# Allegro board LAY-27392_C.brd
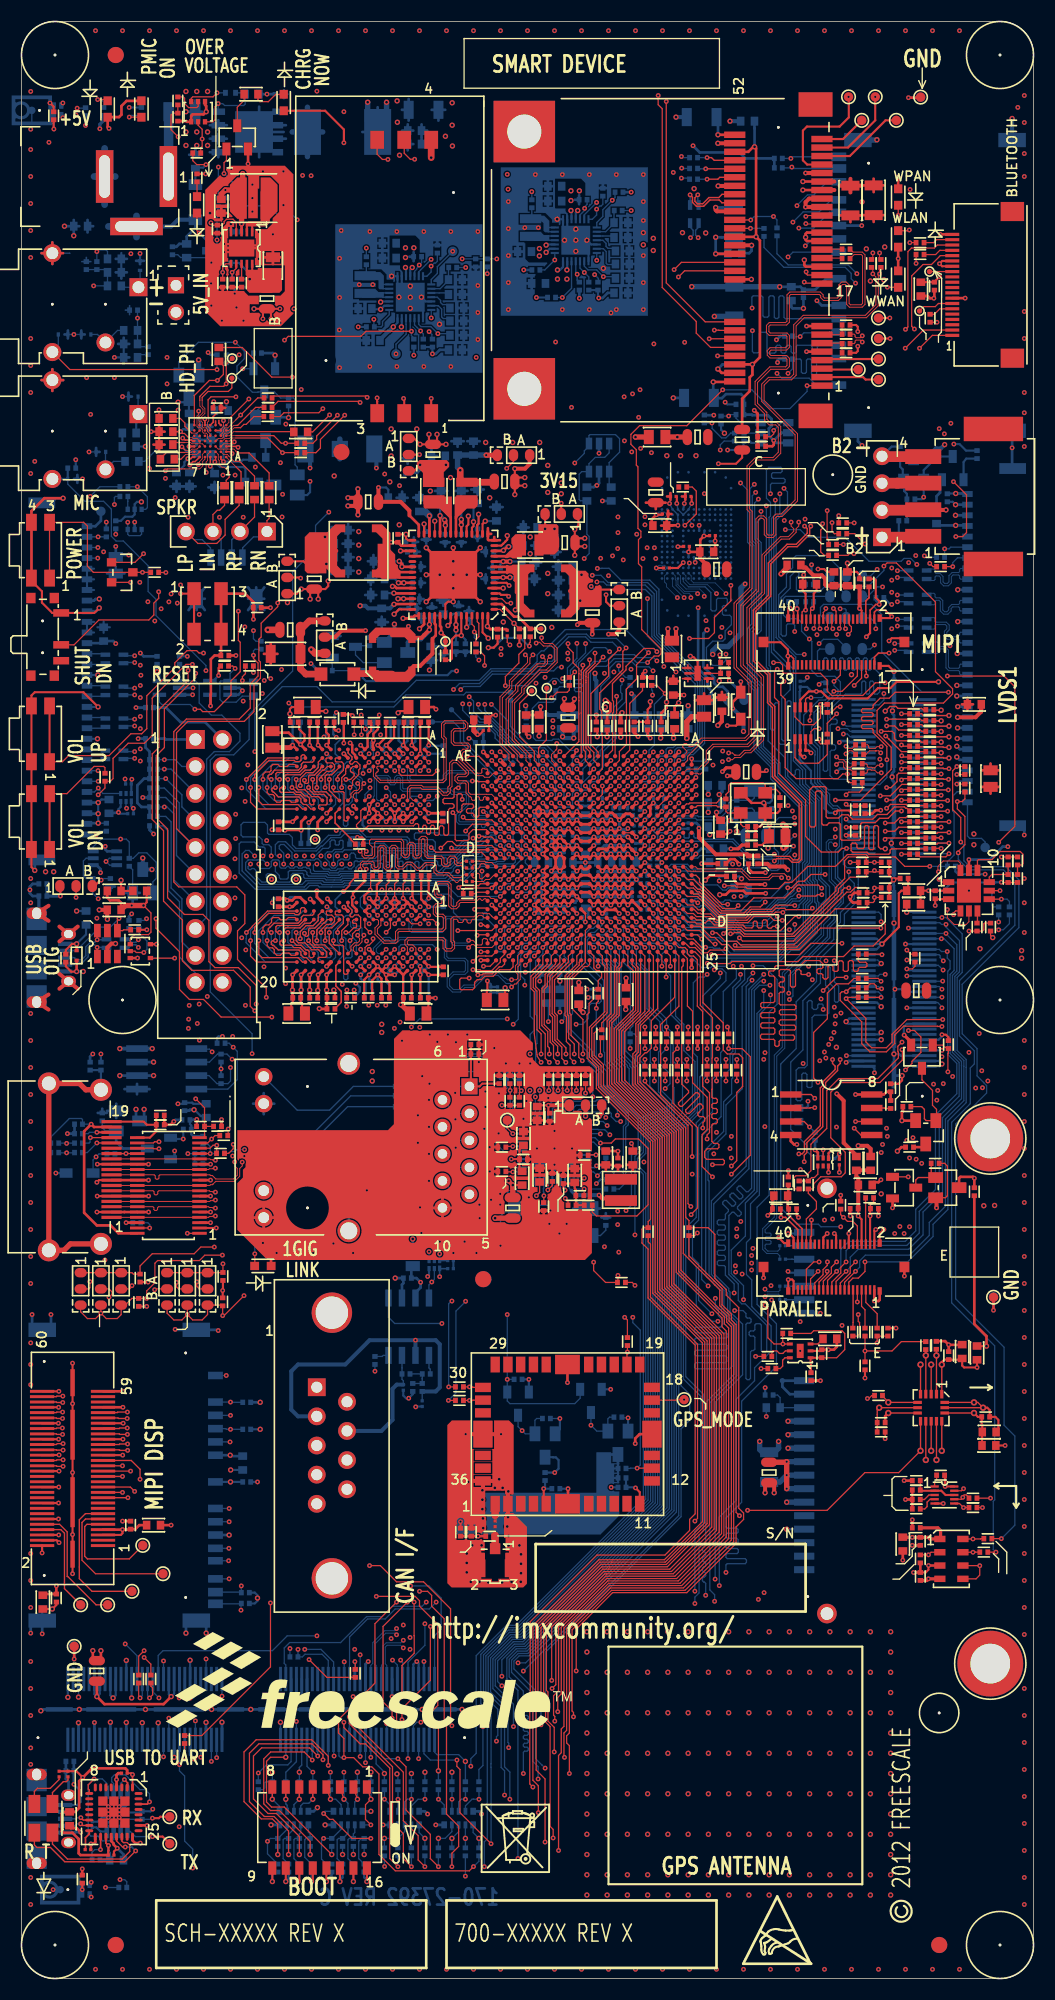
[diagram p0: board, top side]
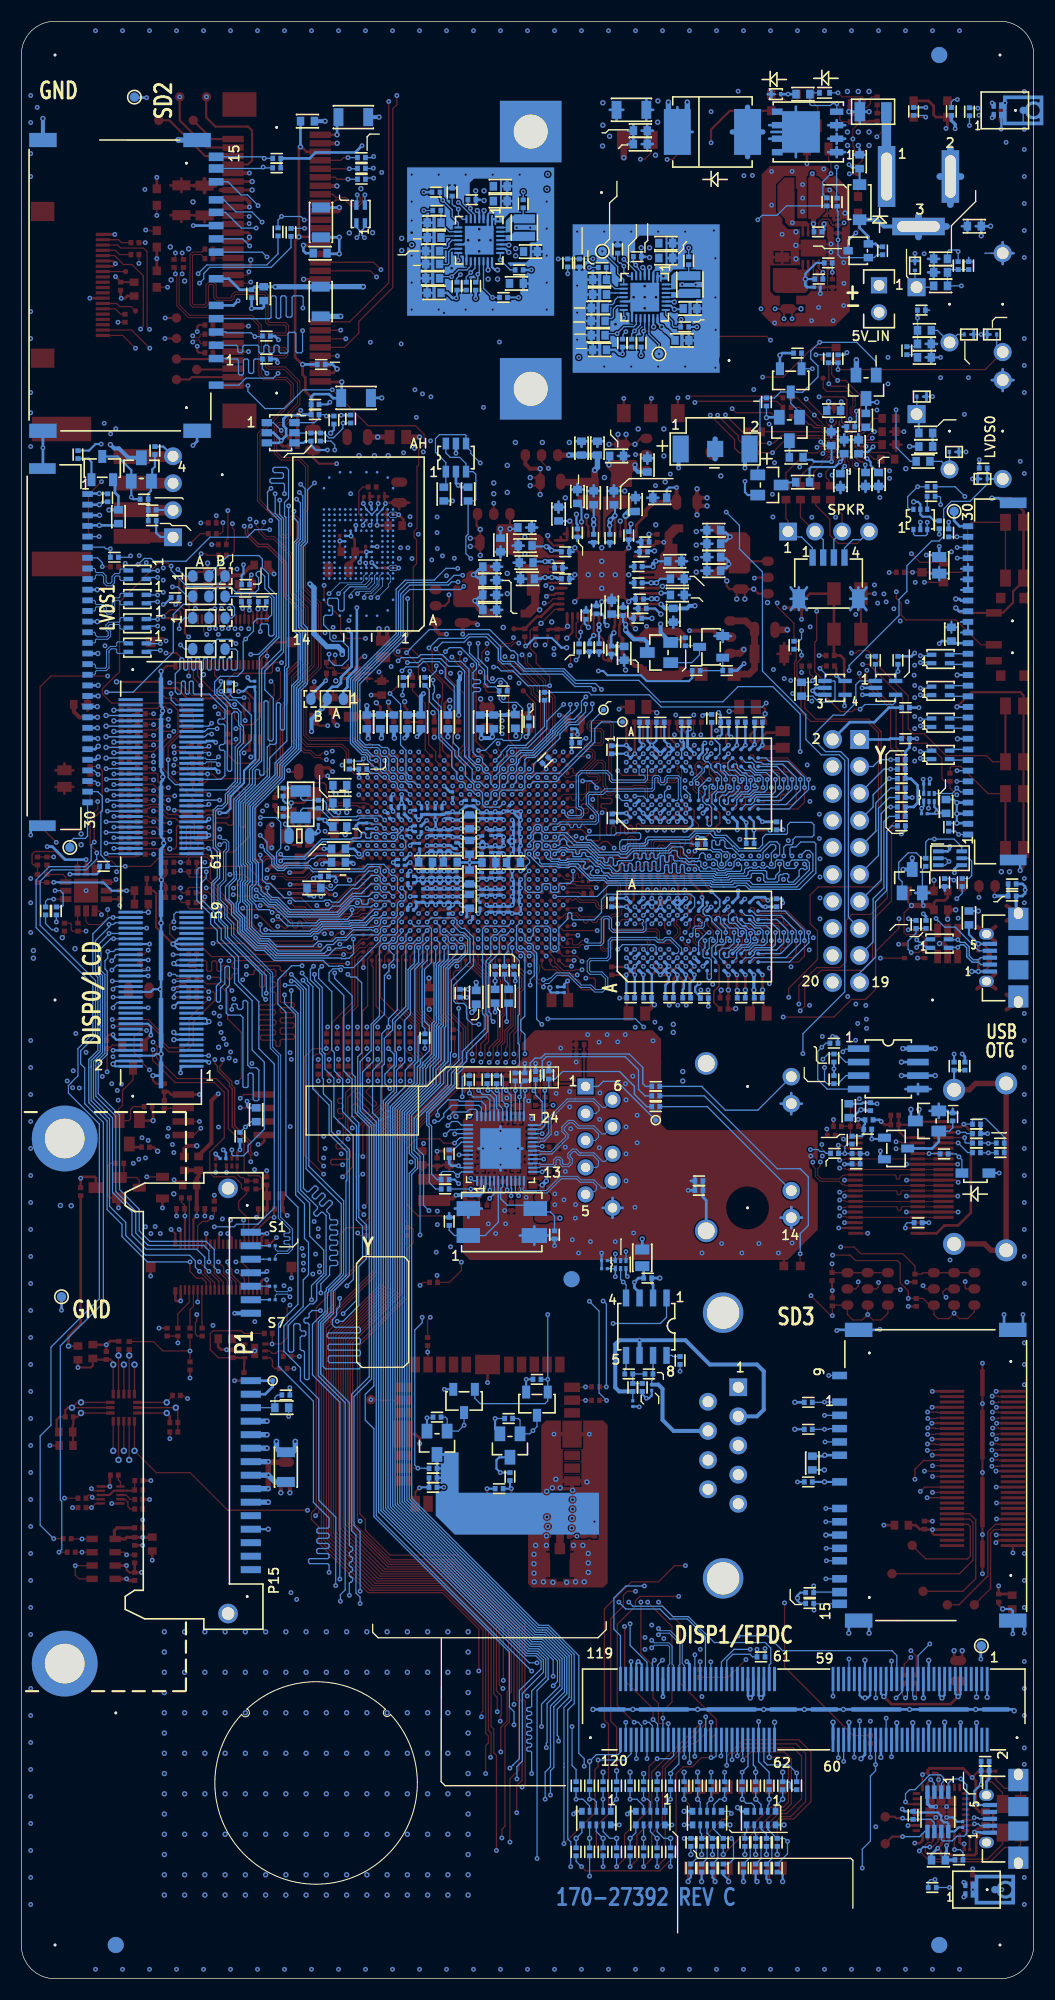
[diagram p1: board, bottom side, seen from below]

Outline 95.25 x 184.15 mm; copper layers: TOP, L2_GND_1, L3_INT_1, L4_PWR_1, L5_PWR_2, L6_INT_2, L7_GND_2, BOTTOM. Coordinates in mm from the lower left corner of the outline.
Outline path: 0,180.98 0,3.17 ; 0,180.98 arc(0.93,183.22) 3.17,184.15 ; 0,180.98 arc(0.93,183.22) 3.17,184.15 ; 0,180.98 0,3.17 ; 0,3.17 arc(0.93,0.93) 3.17,0 ; 0,3.17 arc(0.93,0.93) 3.17,0 ; 3.17,184.15 92.08,184.15 ; 3.17,184.15 92.08,184.15 ; 92.08,184.15 arc(94.32,183.22) 95.25,180.98 ; 92.08,184.15 arc(94.32,183.22) 95.25,180.98 ; 3.17,0 92.08,0 ; 3.17,0 92.08,0 ; 92.08,0 arc(94.32,0.93) 95.25,3.17 ; 92.08,0 arc(94.32,0.93) 95.25,3.17 ; 95.25,180.98 95.25,3.17 ; 95.25,180.98 95.25,3.17

## Design rules (mm)
net group AUD3_RXD: nets ADCDAT1 AUD3_RXD
net group AUD3_TXC: nets AUD3_TXC BCLK1
net group AUD3_TXD: nets AUD3_TXD DACDAT1
net group AUD3_TXFS: nets AUD3_TXFS LRCLK1
net group BATT_TEMP1: nets BATT_TEMP1 BCH1_VL
net group BATT_TEMP2: nets BATT_TEMP2 BCH2_VL
net group CAN1_RX: nets CAN1_RX DISP0_SER_RS
net group CAN1_STBY: nets CAN1_STBY KEY_COL5
net group CAN1_TX: nets CAN1_TX SPDIF_CLK
net group CEC_BCK_PRO: nets CEC_BCK_PRO HDMI_CEC_OUT
net group CHG_NW_LED_A: nets CHG_NW_LED_A CHG_NW_LED_B
net group CLK1_N: nets CLK1_N PCIE_CREFCLKM
net group CLK1_P: nets CLK1_P PCIE_CREFCLKP
net group CPCA: nets CPCA CPCB
net group CPU_XTALI: nets CPU_XTALI CPU_XTALO
net group CPUPWRON: nets CPUPWRON MX6_ONOFF
net group DBUG_USB_D: nets DBUG_USB_DM DBUG_USB_DP
net group DDR3_DAT4: nets DRAM_SDQS4 DRAM_SDQS4_B
net group DDR_SDCLK0: nets DDR_SDCLK0 DRAM_SDCLK0
net group DDR_SDCLK0_B: nets DDR_SDCLK0_B DRAM_SDCLK0_B
net group DISP0_CLK: nets DISP0_CLK DSP0_CLK
net group DISP0_CNTRST: nets DI0_PIN4 DISP0_CNTRST
net group DISP0_DAT0: nets DISP0_DAT0 DSP0_DAT0
net group DISP0_DAT1: nets DISP0_DAT1 DSP0_DAT1
net group DISP0_DAT2: nets DISP0_DAT2 DSP0_DAT2
net group DISP0_DAT3: nets DISP0_DAT3 DSP0_DAT3
net group DISP0_DAT4: nets DISP0_DAT4 DSP0_DAT4
net group DISP0_DAT5: nets DISP0_DAT5 DSP0_DAT5
net group DISP0_DAT6: nets DISP0_DAT6 DSP0_DAT6
net group DISP0_DAT7: nets DISP0_DAT7 DSP0_DAT7
net group DISP0_DAT8: nets DISP0_DAT8 DSP0_DAT8
net group DISP0_DAT9: nets DISP0_DAT9 DSP0_DAT9
net group DISP0_DAT10: nets DISP0_DAT10 DSP0_DAT10
net group DISP0_DAT11: nets DISP0_DAT11 DSP0_DAT11
net group DISP0_DAT12: nets DISP0_DAT12 DSP0_DAT12
net group DISP0_DAT13: nets DISP0_DAT13 DSP0_DAT13
net group DISP0_DAT14: nets DISP0_DAT14 DSP0_DAT14
net group DISP0_DAT15: nets DISP0_DAT15 DSP0_DAT15
net group DISP0_DAT16: nets DISP0_DAT16 DSP0_DAT16
net group DISP0_DAT17: nets DISP0_DAT17 DSP0_DAT17
net group DISP0_DAT18: nets DISP0_DAT18 DSP0_DAT18
net group DISP0_DAT19: nets DISP0_DAT19 DSP0_DAT19
net group DISP0_DAT20: nets DISP0_DAT20 DSP0_DAT20
net group DISP0_DAT21: nets DISP0_DAT21 DSP0_DAT21
net group DISP0_DAT22: nets DISP0_DAT22 DSP0_DAT22
net group DISP0_DAT23: nets DISP0_DAT23 DSP0_DAT23
net group DISP0_DRDY: nets DI0_PIN15 DISP0_DRDY
net group DISP0_HSYNCH: nets DI0_PIN2 DISP0_HSYNCH
net group DISP0_RD: nets DISP0_RD EIM_D28
net group DISP0_VSYNCH: nets DI0_PIN3 DISP0_VSYNCH
net group DMICCLK1: nets DMICCLK1 DMICCLK1R
net group DMICCLK2: nets DMICCLK2 DMICCLK2R
net group EIM_BCLK: nets DI0_D1_CS EIM_BCLK
net group EIM_D19: nets PCIE_PWR_EN PCIE_PWR_ON
net group EIM_D21: nets EIM_D21 USB_OTG_OC
net group GPS_SIGNALS: nets GPS_RFIN GPS_RFIN_CON
net group HDMI_DDC_CLK_OUT: nets H_CLK_OUT HDMI_DDC_CLK_OUT
net group HDMI_DDC_DAT_OUT: nets H_DAT_OUT HDMI_DDC_DAT_OUT
net group HEADPHONE_DET: nets HEADPHONE_DET SD3_RST
net group I2C_LVDS0_EDID: nets LVDS0_EDID_SCL LVDS0_EDID_SDA
net group I2C_LVDS0_TOUCH: nets LVDS0_TOUCH_SCL LVDS0_TOUCH_SDA
net group KEY_COL6: nets KEY_COL6 MICROPHONE_DET
net group KEY_COL7: nets KEY_COL7 KEY_VOL_UP
net group KEY_ROW7: nets KEY_ROW7 KEY_VOL_DN
net group LD_WLAN_B: nets LD_WLAN_B LED_WLAN_B
net group LD_WPAN_B: nets LD_WPAN_B LED_WPAN_B
net group LD_WWAN_B: nets LD_WWAN_B LED_WWAN_B
net group LDO_REG_FB: nets LDO_REG_FB LDO_REG_OUT
net group LDO_USB_IN: nets LDO_USB_IN USB_H1_VBUS
net group LED_1000_O: nets LED_1000_O RGMII_LED_1000
net group LVDS0_CLK_N: nets LVDS0_CLK_N LVDS0_CLK_NEG
net group LVDS0_TX0_N: nets LVDS0_TX0_N LVDS0_TX0_NEG
net group LVDS0_TX0_P: nets LVDS0_TX0_P LVDS0_TX0_POS
net group LVDS0_TX1_N: nets LVDS0_TX1_N LVDS0_TX1_NEG
net group LVDS0_TX1_P: nets LVDS0_TX1_P LVDS0_TX1_POS
net group LVDS0_TX2_N: nets LVDS0_TX2_N LVDS0_TX2_NEG
net group LVDS0_TX2_P: nets LVDS0_TX2_P LVDS0_TX2_POS
net group LVDS1_CLK_N: nets LVDS1_CLK_N LVDS1_CLK_POS
net group LVDS1_TX0_N: nets LVDS1_TX0_N LVDS1_TX0_NEG
net group LVDS1_TX0_P: nets LVDS1_TX0_P LVDS1_TX0_POS
net group LVDS1_TX1_N: nets LVDS1_TX1_N LVDS1_TX1_NEG
net group LVDS1_TX1_P: nets LVDS1_TX1_P LVDS1_TX1_POS
net group LVDS1_TX2_N: nets LVDS1_TX2_N LVDS1_TX2_NEG
net group LVDS1_TX2_P: nets LVDS1_TX2_P LVDS1_TX2_POS
net group MPCIE_3V3: nets MPCIE_3V3 PCIE_PWR_R1
net group OVPROT_5VA: nets OVPROT_5VA OVPROT_5VB
net group OVPROT_5VC: nets OVPROT_5VC OVRPRTC
net group OVPROT_5VD: nets OVPROT_5VD SHUTDOWN
net group PCIE_CRXM: nets PCIE_CRXM PCIE_RXM
net group PCIE_CRXP: nets PCIE_CRXP PCIE_RXP
net group PCIE_CTXM: nets PCIE_CTXM PCIE_TXM
net group PCIE_CTXP: nets PCIE_CTXP PCIE_TXP
net group PCIE_RST_B: nets PCIE_RST_B SPDIF_OUT
net group PCIE_USB_DM: nets PCIE_USB_DM USB_HOST_DN
net group PCIE_USB_DP: nets PCIE_USB_DP USB_HOST_DP
net group PCIE_VPTX: nets PCIE_VPTX VDDSOC_VP
net group PHY_RST: nets PHY_RST RGMII_NRST
net group RGMII_LED_10_100: nets RGMII_LED_10_100 RJ45_LED_10_100
net group RGMII_LED_ACT: nets RGMII_LED_ACT RJ45_LED_ACT
net group RGMII_RXCLK: nets PHY_RX_CLK RGMII_RXCLK
net group RTC_XTALI: nets RTC_XTALI RTC_XTALO
net group SATA_COMPONENTS: nets RSVD
net group SATA_RXN: nets SATA_RXN SATA_RXN_CON
net group SATA_RXP: nets SATA_RXP SATA_RXP_CON
net group SATA_TXN: nets SATA_TXN SATA_TXN_CON
net group SATA_TXP: nets SATA_TXP SATA_TXP_CON
net group SENSOR1V8: nets SEN_1V8 SENSOR1V8
net group SENSOR3V3: nets SEN_3V3 SENSOR3V3
net group SPKLN: nets SPKLN SPKOUTLN
net group SPKLP: nets SPKLP SPKOUTLP
net group SPKOUTRN: nets SPKOUTRN SPKRN
net group SPKOUTRP: nets SPKOUTRP SPKRP
net group SWBST_5V: nets SWBST_5V SWBST_FB
net group SWBSTLX: nets SWBST_SUP SWBSTLX
net group TS_XN: nets TS_XN XN
net group TS_XP: nets TS_XP XP
net group TS_YN: nets TS_YN YN
net group TS_YP: nets TS_YP YP
net group USB_OTG_CON_DN: nets USB_OTG_CON_DN USB_OTG_DN
net group USB_OTG_CON_DP: nets USB_OTG_CON_DP USB_OTG_DP
net group A2D_TP_VDD: nets A2D_TP_VDD AUD_FB AUX_3V15 EIM_D26 GPS_3V15_ON P1V8_SW4 PENIRQ_B SD2_3V3 SD2_CD_B SD2_CMD SD2_WP SW4LX SWBST_PWR_EN TS_A0 TS_A1 TS_INT TS_PWR_ON
net group ACC_SCK: nets ACC_SCK CODEC_I2C_CLK CSI0_SCL I2C1_SCL
net group ACC_SDA: nets ACC_SDA CODEC_I2C_DAT CSI0_SDA I2C1_SDA
net group ALS_SCK: nets ALS_SCK BAR_SCK DEC_SCK EPDC_I2C3_SCL I2C3_SCL LVDS1_EDID_SCL LVDS1_TOUCH_SCL PCIE_SMB_CLK
net group ALS_SDA: nets ALS_SDA BAR_SDA DEC_SDA EPDC_I2C3_SDA I2C3_SDA LVDS1_EDID_SDA LVDS1_TOUCH_SDA PCIE_SMB_DATA
net group AUDIO_CLK: nets AUD_MCLK AUDIO_CLK CSI_MCLK MCLK_1V8
net group AUX_5V: nets AUX_5V AUX_5V_FB AUX_5V_OUTS AUX_5V_POUT LVDS0_5V
net group BAT_CEN_B: nets BAT_CEN_B EIM_D30 USB_H1_OC
net group BATTERY_1: nets BATT_VSENSE BATT_VSENSE_PWR BATTERY_1 BATTERY_2
net group BCH1_BST: nets BCH1_BST BCH1_CS BCH1_LX
net group BCH1_IUSB: nets BCH1_IUSB BCH1_USB BCH2_IUSB BCH2_USB OTG_VBUS_CHGR
net group BCH2_BST: nets BCH2_BST BCH2_CS BCH2_LX
net group BT_DISABLE: nets BT_DISABLE CSPI1_MOSI EPDC_MOSI SPINOR_MOSI
net group BT_PWD_L: nets BT_PWD_L CHG_NW_LED_EN KEY_ROW6 USR_DEF_RED_LED
net group BT_UART_CTS: nets BT_UART_CTS KEY_ROW4 SATA_DEVSLP SATA_DS
net group BT_UART_RTS: nets BT_UART_RTS KEY_COL4 PCIE_DIS_B
net group BT_UART_RXD: nets BT_UART_RXD CSPI1_CS0 EPDC_CS0 SPINOR_CS0
net group BT_UART_TXD: nets BT_UART_TXD CSPI1_MISO EPDC_MISO SPINOR_MISO
net group BT_WAKEUP: nets BT_WAKEUP CSPI1_CLK EPDC_CSP1_CLK SPINOR_CLK
net group CANH: nets CAN_SPLIT CAN_SPLT CANH CANL
net group CSI0_PIXCLK: nets CSI_PIXCLK
net group CSI_DIFF: nets CSI_CLK0M CSI_CLK0P CSI_D0M CSI_D0P CSI_D1M CSI_D1P
net group DDR3_DATAGROUP_1: nets DRAM_D0 DRAM_D1 DRAM_D2 DRAM_D3 DRAM_D4 DRAM_D5 DRAM_D6 DRAM_D7 DRAM_DQM0 DRAM_SDQS0 DRAM_SDQS0_B
net group DDR3_DATAGROUP_2: nets DRAM_D8 DRAM_D9 DRAM_D10 DRAM_D11 DRAM_D12 DRAM_D13 DRAM_D14 DRAM_D15 DRAM_DQM1 DRAM_SDQS1 DRAM_SDQS1_B
net group DDR3_DATAGROUP_3: nets DRAM_D16 DRAM_D17 DRAM_D18 DRAM_D19 DRAM_D20 DRAM_D21 DRAM_D22 DRAM_D23 DRAM_DQM2 DRAM_SDQS2 DRAM_SDQS2_B
net group DDR3_DATAGROUP_4: nets DRAM_D24 DRAM_D25 DRAM_D26 DRAM_D27 DRAM_D28 DRAM_D29 DRAM_D30 DRAM_D31 DRAM_DQM3 DRAM_SDQS3 DRAM_SDQS3_B
net group DDR3_DATAGROUP_5: nets DRAM_D32 DRAM_D33 DRAM_D34 DRAM_D35 DRAM_D36 DRAM_D37 DRAM_D38 DRAM_D39 DRAM_DQM4
net group DDR3_DATAGROUP_6: nets DRAM_D40 DRAM_D41 DRAM_D42 DRAM_D43 DRAM_D44 DRAM_D45 DRAM_D46 DRAM_D47 DRAM_DQM5 DRAM_SDQS5 DRAM_SDQS5_B
net group DDR3_DATAGROUP_7: nets DRAM_D48 DRAM_D49 DRAM_D50 DRAM_D51 DRAM_D52 DRAM_D53 DRAM_D54 DRAM_D55 DRAM_DQM6 DRAM_SDQS6 DRAM_SDQS6_B
net group DDR3_DATAGROUP_8: nets DRAM_D56 DRAM_D57 DRAM_D58 DRAM_D59 DRAM_D60 DRAM_D61 DRAM_D62 DRAM_D63 DRAM_DQM7 DRAM_SDQS7 DRAM_SDQS7_B
net group DDR_FB: nets DDR_FB SW3_1V5 SW3LX
net group DDR_SDCLK1: nets DDR_SDCLK1 DDR_SDCLK1_B DRAM_SDCLK1 DRAM_SDCLK1_B
net group DMIC_DAT: nets DMIC_DAT DMIC_DAT1 DMIC_DAT2
net group DSI_DIFF: nets DSI_CLK0M DSI_CLK0P DSI_D0M DSI_D0P DSI_D1M DSI_D1P
net group EIM_A16: nets BT_CFG3_0 BT_CFG3_1 BT_CFG3_2 BT_CFG3_3 BT_CFG3_4 BT_CFG3_5 BT_CFG3_6 BT_CFG3_7 EIM_A17 EIM_A18 EIM_A19 EIM_A20 EIM_A21 EIM_A22 EIM_A23
net group EIM_A25: nets CHG_FLT1_B
net group EIM_CS1: nets DOK_B
net group EIM_D18: nets EIM_D18 GPS_PPS GPS_PPS1
net group EIM_D22: nets EIM_D22 USB_CBL_ATT USB_OTG_CHG_DE USB_OTG_PWR_EN
net group EIM_D23: nets CHG_STATUS1_B
net group EIM_D24: nets EIM_D24 GPS_TXD UART3_TXD
net group EIM_D25: nets EIM_D25 GPS_RXD UART3_RXD
net group EIM_DA0: nets BT_CFG1_0 BT_CFG1_1 BT_CFG1_2 BT_CFG1_3 BT_CFG1_4 BT_CFG1_5 BT_CFG1_6 BT_CFG1_7 EIM_DA0 EIM_DA1 EIM_DA2 EIM_DA3 EIM_DA4 EIM_DA5 EIM_DA6 EIM_DA7 EPDC_SDCE3 GPS_PWREN
net group ENET_REFCLK: nets ENET_REF_CLK ENET_REFCLK PHY_CLKO
net group GEN_FB: nets GEN_FB P3V3_SW2 SW2LX
net group HDMI_CEC_IN: nets HDMI_CEC_IN HDMI_DDCCEC KEY_ROW2
net group HPOUTL: nets HP_L HPOUTL HPOUTL_CAP
net group HPOUTR: nets HP_R HPOUTR HPOUTR_CAP
net group I2C_ALS: nets CSI2_SCL CSI2_SDA HDMI_DDC_CLK_IN HDMI_DDC_DAT_IN I2C2_SCL I2C2_SDA LCD_I2C_SCL LCD_I2C_SDA MIPI_I2C_SCL MIPI_I2C_SDA PMIC_SCL PMIC_SDA TS_SCL TS_SDA
net group IMX_PWR_B: nets IMX_PWR_B OTG_PWR_ON OTG_PWR_ON_B OTG_VBUS USB_BAT_CHG USB_OTG_CON_VBUS
net group KEY_ROW5: nets KEY_ROW5 WDOG_B WDOG_BUF
net group LVDS0_CLK_P: nets LVDS0_CLK_POS
net group LVDS1_CLK_NEG: nets LVDS1_CLK_NEG
net group MIC: nets MIC MIC_IN MIC_RAW
net group MICBIAS: nets MICBIAS MICBIAS2_FLT MICBIAS2_RAW
net group ONFET_CTL: nets ONFET_CTL PMIC_ON_REQ PWRON
net group P1V2_SW1: nets P1V2_SW1 SW1LX VDDCORE_FB
net group P1V2_SW1C: nets P1V2_SW1C SW1CLX VDDSOC_FB
net group POWERS_2_AGND: nets AUD_1V8
net group RGMII_DIFF: nets RGMII_TRXN0 RGMII_TRXN1 RGMII_TRXN2 RGMII_TRXN3 RGMII_TRXP0 RGMII_TRXP1 RGMII_TRXP2 RGMII_TRXP3
net group RGMII_RX: nets RGMII_RXD0 RGMII_RXD1 RGMII_RXD2 RGMII_RXD3
net group RGMII_TX: nets RGMII_TXCLK RGMII_TXD0 RGMII_TXD1 RGMII_TXD2 RGMII_TXD3
net group SD2: nets SD2_CLK SD2_DATA0 SD2_DATA1 SD2_DATA2 SD2_DATA3 SD2_DATA4 SD2_DATA5 SD2_DATA6 SD2_DATA7
net group SD3: nets SD3_CLK SD3_CMD SD3_DATA0 SD3_DATA1 SD3_DATA2 SD3_DATA3 SD3_DATA4 SD3_DATA5 SD3_DATA6 SD3_DATA7
net group SD4: nets SD4_CLK SD4_CMD SD4_DATA0 SD4_DATA1 SD4_DATA2 SD4_DATA3 SD4_DATA4 SD4_DATA5 SD4_DATA6 SD4_DATA7
nets with their own width: min track width 0.254; nets COMS2_2V8 GND MPCIE_1V5

## Placement (name value [footprint] x y rotation side)
BH1  SMTSO-M2-2.0ET  [MH244-147T]  91.16 79.04 0 top
BH2  SMTSO-M2-2.0ET  [MH244-147T]  91.16 29.64 0 top
BT500  2994TR  [SKT_BATT_4X8]  29.97 143.92 180 bottom
C1  0.1UF  [0402_CC]  3.05 175.26 270 top
C2  100uF  [1206_CC]  80.19 167.31 270 top
C3  100uF  [1206_CC]  78 167.28 270 top
C4  0.1UF  [0402_CC]  80.87 161.37 90 top
C5  0.1UF  [0402_CC]  79.98 161.37 90 top
C6  0.1UF  [0402_CC]  77.6 162.71 180 top
C7  0.1UF  [0402_CC]  77.6 161.82 180 top
C8  22UF  [0805_CC]  23.67 161.16 90 top
C9  0.1UF  [0402_CC]  19.84 159.51 270 top
C10  10UF  [0603_CC]  18.82 166.75 270 top
C11  0.1UF  [0402_CC]  77.6 154.71 180 top
C12  0.1UF  [0402_CC]  77.6 153.82 180 top
C13  0.1UF  [0402_CC]  18.41 147.78 180 top
C14  1.0 UF  [0603_CC]  13.61 146.79 0 top
C15  4.7UF  [0603_CC]  13.61 145.54 180 top
C16  0.1UF  [0402_CC]  69.65 144.17 180 top
C17  4.7UF  [0603_CC]  13.61 144.32 180 top
C18  2.2uF  [0603_CC]  13.74 142.95 180 top
C19  0.1UF  [0201_CC]  61.34 139.45 0 top
C20  0.1UF  [0201_CC]  62.74 139.45 0 top
C21  0.1UF  [0201_CC]  60.58 137.8 180 top
C22  4.7UF  [0603_CC]  60.07 136.7 180 top
C23  0.1UF  [0201_CC]  65.02 135.76 0 top
C24  0.1UF  [0402_CC]  35.43 135.51 90 top
C25  0.1UF  [0201_CC]  62.59 134.75 180 top
C26  4.7UF  [0603_CC]  64.49 134.24 0 top
C27  0.1UF  [0201_CC]  60.71 132.72 0 top
C28  4.7UF  [0603_CC]  77.72 131.7 90 top
C29  0.1UF  [0402_CC]  78.87 131.32 90 top
C30  4.7UF  [0603_CC]  74.17 131.19 0 top
C31  47uF  [1206_CC]  24.87 124.64 180 top
C32  10uF  [0603_CC]  61.34 121.41 270 top
C33  10uF  [0603_CC]  65.91 119.89 270 top
C34  4.7uF  [0603_CC]  89.66 119.89 0 top
C35  22UF  [0805_CC]  26.92 119.63 180 top
C36  22UF  [0805_CC]  37.21 119.63 180 top
C37  0.22UF  [0402_CC]  30.3 118.57 90 top
C38  22UF  [0603_CC]  43.22 118.44 0 top
C39  4.7uF  [0603_CC]  47.5 118.24 90 top
C40  22UF  [0603_CC]  48.72 118.24 90 top
C41  0.22UF  [0402_CC]  25.68 118.21 180 top
C42  0.22UF  [0402_CC]  27.51 118.21 180 top
C43  0.22UF  [0402_CC]  29.06 118.21 180 top
C44  0.22UF  [0402_CC]  37.95 118.21 0 top
C45  0.22UF  [0402_CC]  34.7 118.2 0 top
C46  0.22UF  [0402_CC]  36.37 118.2 0 top
C47  0.22UF  [0402_CC]  33.18 118.19 0 top
C48  0.22UF  [0201_CC]  43.73 117.43 0 top
C49  22UF  [0805_CC]  23.62 116.59 270 top
C50  0.22UF  [0201_CC]  73.53 115.57 180 top
C51  18PF  [0402_CC]  71.37 110.74 270 top
C52  0.22UF  [0402_CC]  39.66 109.27 270 top
C53  0.22UF  [0402_CC]  24.2 108.46 90 top
C54  22UF  [0603_CC]  65.79 108.33 90 top
C55  18PF  [0402_CC]  68.71 108.38 0 top
C56  0.22UF  [0402_CC]  33.43 103.76 0 top
C57  0.22UF  [0402_CC]  34.95 103.76 0 top
C58  0.22UF  [0402_CC]  36.47 103.76 0 top
C59  0.22UF  [0402_CC]  38 103.76 0 top
C60  0.1UF  [0402_CC]  83.06 103.5 180 top
C61  4.7uF  [0603_CC]  8.74 102.34 0 top
C62  1.0 UF  [0603_CC]  11.15 102.34 180 top
C63  0.1UF  [0402_CC]  85.98 101.98 270 top
C64  0.22UF  [0402_CC]  24.2 101.23 270 top
C65  4.7UF  [0603_CC]  83.95 101.09 180 top
C66  0.1UF  [0402_CC]  4.19 96.01 90 top
C67  0.22UF  [0402_CC]  39.7 94.82 270 top
C68  22UF  [0603_CC]  56.9 92.58 270 top
C69  22UF  [0603_CC]  52.45 92.33 270 top
C70  0.22UF  [0402_CC]  25.91 92.28 180 top
C71  0.22UF  [0402_CC]  27.51 92.28 180 top
C72  0.22UF  [0402_CC]  29.13 92.28 180 top
C73  0.22UF  [0402_CC]  32.64 92.28 180 top
C74  0.22UF  [0402_CC]  34.26 92.28 0 top
C75  0.22UF  [0402_CC]  36.32 92.28 0 top
C76  0.22UF  [0402_CC]  37.92 92.28 0 top
C77  22UF  [0805_CC]  44.58 92.08 0 top
C78  22UF  [0805_CC]  25.91 90.8 180 top
C79  22UF  [0805_CC]  37.34 90.8 0 top
C80  0.1UF  [0402_CC]  42.67 87.88 0 top
C81  0.1UF  [0402_CC]  42.67 86.99 0 top
C82  0.1UF  [0402_CC]  44.96 84.58 90 top
C83  0.1UF  [0402_CC]  81.79 83.82 90 top
C84  1.0 UF  [0603_CC]  48.54 81.41 270 top
C85  0.1UF  [0402_CC]  49.71 81.05 270 top
C86  0.1UF  [0402_CC]  13.08 80.34 0 top
C87  0.1UF  [0402_CC]  18.47 80.19 0 top
C88  1.0 UF  [0603_CC]  47.24 79.04 90 top
C89  0.1UF  [0402_CC]  45.21 78.23 180 top
C90  0.1UF  [0402_CC]  52.96 77.47 180 top
C91  10UF  [0603_CC]  54.99 77.22 90 top
C92  0.1UF  [0402_CC]  47.24 77.09 0 top
C93  0.1UF  [0402_CC]  56.13 76.83 90 top
C94  0.22UF  [0201_CC]  76.96 76.83 90 top
C95  0.1UF  [0402_CC]  45.21 75.95 180 top
C96  1.0 UF  [0603_CC]  48.77 75.61 90 top
C97  10UF  [0603_CC]  52.07 75.56 90 top
C98  0.1UF  [0402_CC]  49.96 75.38 90 top
C99  0.1UF  [0402_CC]  51 75.18 90 top
C100  4.7UF  [0603_CC]  79.4 74.68 0 top
C101  4.7UF  [0603_CC]  71.45 73.66 180 top
C102  0.1UF  [0402_CC]  78.36 72.44 180 top
C103  0.1UF  [0402_CC]  80.26 72.44 0 top
C104  0.1UF  [0402_CC]  71.04 72.42 180 top
C105  0.1UF  [0402_CC]  72.57 72.42 0 top
C106  0.1UF  [0402_CC]  86.08 59.59 90 top
C107  4.7UF  [0603_CC]  88.52 59 90 top
C108  0.1UF  [0402_CC]  75.31 58.8 90 top
C109  0.1UF  [0402_CC]  87.25 58.62 90 top
C110  0.1UF  [0402_CC]  90.73 52.86 0 top
C111  4.7UF  [0603_CC]  91.06 51.43 0 top
C112  0.1UF  [0402_CC]  86.49 47.37 0 top
C113  0.1UF  [0402_CC]  84.2 45.97 180 top
C114  0.1UF  [0402_CC]  84.2 44.2 180 top
C115  56PF  [0201_CC]  44.58 42.8 90 top
C116  0.1UF  [0402_CC]  10.29 42.67 90 top
C117  4.7uF  [0603_CC]  12.45 42.67 0 top
C118  100PF  [0402_CC]  42.34 42.01 90 top
C119  0.1UF  [0402_CC]  84.58 41.15 270 top
C120  4.7UF  [0603_CC]  82.93 40.89 270 top
C121  0.1UF  [0402_CC]  84.58 39.5 270 top
C122  0.1UF  [0402_CC]  84.58 37.85 90 top
C123  0.1UF  [0402_CC]  3.3 35.81 270 top
C124  4.7uF  [0603_CC]  2.03 35.43 270 top
C125  0.22UF  [0201_CC]  9.7 19.34 180 top
C126  0.22UF  [0201_CC]  6.28 12.15 0 top
C127  0.22UF  [0201_CC]  8.45 11.63 0 top
C128  0.1UF  [0402_CC]  5.74 9.37 90 top
C129  0.1UF  [0402_CC]  85.9 159.23 270 top
C130  10UF  [0603_CC]  84.63 158.95 270 top
C501  100uF  [1206_CC]  37.85 175.82 0 bottom
C502  100uF  [1206_CC]  64.01 175.13 180 bottom
C503  4.7UF  [0603_CC]  68.33 174.75 180 bottom
C504  2.2uF  [0603_CC]  21.84 121.31 270 bottom
C505  10UF  [0603_CC]  37.01 173.86 0 bottom
C506  1.0 UF  [0603_CC]  37.01 172.59 0 bottom
C507  10UF  [0603_CC]  50.19 168.63 180 bottom
C508  10UF  [0603_CC]  34.62 163.27 180 bottom
C510  1.0 UF  [0603_CC]  50.19 167.23 180 bottom
C511  1.0 UF  [0603_CC]  34.62 161.87 180 bottom
C512  0.1UF  [0402_CC]  48.03 166.98 270 bottom
C513  0.1UF  [0402_CC]  32.46 161.62 270 bottom
C514  1.0 UF  [0603_CC]  56.41 165.2 0 bottom
C515  1.0 UF  [0603_CC]  40.84 159.84 0 bottom
C516  4.7UF  [0603_CC]  67.13 162.33 0 bottom
C517  0.15UF  [0603_CC]  56.41 163.8 0 bottom
C518  0.15UF  [0603_CC]  40.84 158.45 0 bottom
C519  0.1UF  [0402_CC]  7.11 161.16 90 bottom
C520  10UF  [0603_CC]  47.35 162.48 180 bottom
C521  10UF  [0603_CC]  32.33 157.12 180 bottom
C522  100uF  [1206_CC]  67.06 165.23 90 bottom
C523  0.1UF  [0201_CC]  20.35 159.13 180 bottom
C524  0.1UF  [0402_CC]  73.58 158.52 270 bottom
C525  10UF  [0603_CC]  72.44 158.52 270 bottom
C526  10UF  [0603_CC]  48.67 159.49 180 bottom
C527  10UF  [0603_CC]  33.1 154.13 180 bottom
C528  4.7uF  [0603_CC]  56.41 158.6 0 bottom
C529  4.7uF  [0603_CC]  40.84 153.24 0 bottom
C530  0.1UF  [0402_CC]  20.29 164.34 180 bottom
C534  0.1UF  [0402_CC]  11.94 153.16 270 bottom
C535  0.1UF  [0402_CC]  67.03 151.87 180 bottom
C537  100uF  [1206_CC]  63.75 148.72 180 bottom
C538  0.1UF  [0402_CC]  67.61 147.14 0 bottom
C539  4.7UF  [0603_CC]  18.82 147.52 180 bottom
C540  1.0UF  [0402_CC]  17.22 146 0 bottom
C541  4.7uF  [0603_CC]  19.05 144.88 90 bottom
C542  4.7UF  [0603_CC]  17.83 144.12 90 bottom
C543  2.2uF  [0603_CC]  16.48 144.12 90 bottom
C544  22UF  [0603_CC]  39.24 143.26 180 bottom
C545  22UF  [0603_CC]  36.35 142.39 90 bottom
C546  22UF  [0603_CC]  42.54 143.99 90 bottom
C547  2.2uF  [0603_CC]  15.82 141.05 270 bottom
C548  2.2uF  [0603_CC]  14.61 141.05 270 bottom
C549  1.0 UF  [0603_CC]  18.19 140.94 270 bottom
C550  4.7uF  [0603_CC]  42.93 139.45 90 bottom
C551  4.7uF  [0603_CC]  41.4 139.32 90 bottom
C552  4.7uF  [0603_CC]  39.5 139.32 90 bottom
C553  4.7uF  [0603_CC]  35.18 139.32 0 bottom
C554  4.7uF  [0603_CC]  37.46 138.68 90 bottom
C555  22UF  [0603_CC]  41.05 143.99 90 bottom
C556  4.7uF  [0603_CC]  44.7 137.8 90 bottom
C557  2.2uF  [0603_CC]  86.11 137.54 90 bottom
C558  0.1UF  [0402_CC]  8.89 136.78 270 bottom
C559  22UF  [0603_CC]  47.88 136.53 180 bottom
C560  22UF  [0603_CC]  30.1 136.27 0 bottom
C561  0.47uF  [0402_CC]  42.93 136.02 270 bottom
C562  0.47uF  [0402_CC]  38.1 135.76 270 bottom
C563  0.1UF  [0402_CC]  41.4 135.51 270 bottom
C564  0.1UF  [0402_CC]  39.88 135.51 270 bottom
C565  0.1UF  [0402_CC]  36.56 135.17 0 bottom
C566  22UF  [0603_CC]  30.1 135 0 bottom
C567  22UF  [0603_CC]  50.16 134.87 270 bottom
C568  4.7uF  [0603_CC]  47.85 134.82 0 bottom
C569  0.1UF  [0402_CC]  44.07 134.24 180 bottom
C570  1.0UF  [0402_CC]  36.7 134.24 0 bottom
C571  22UF  [0603_CC]  30.1 133.73 0 bottom
C572  4.7uF  [0603_CC]  33.78 133.35 180 bottom
C573  4.7uF  [0603_CC]  47.75 133.22 0 bottom
C574  22UF  [0603_CC]  51.18 132.84 180 bottom
C575  0.1UF  [0402_CC]  37.21 132.84 0 bottom
C576  0.1UF  [0402_CC]  44.7 132.72 180 bottom